# Altium PCB SNAKE_FYP.PcbDoc (continued)
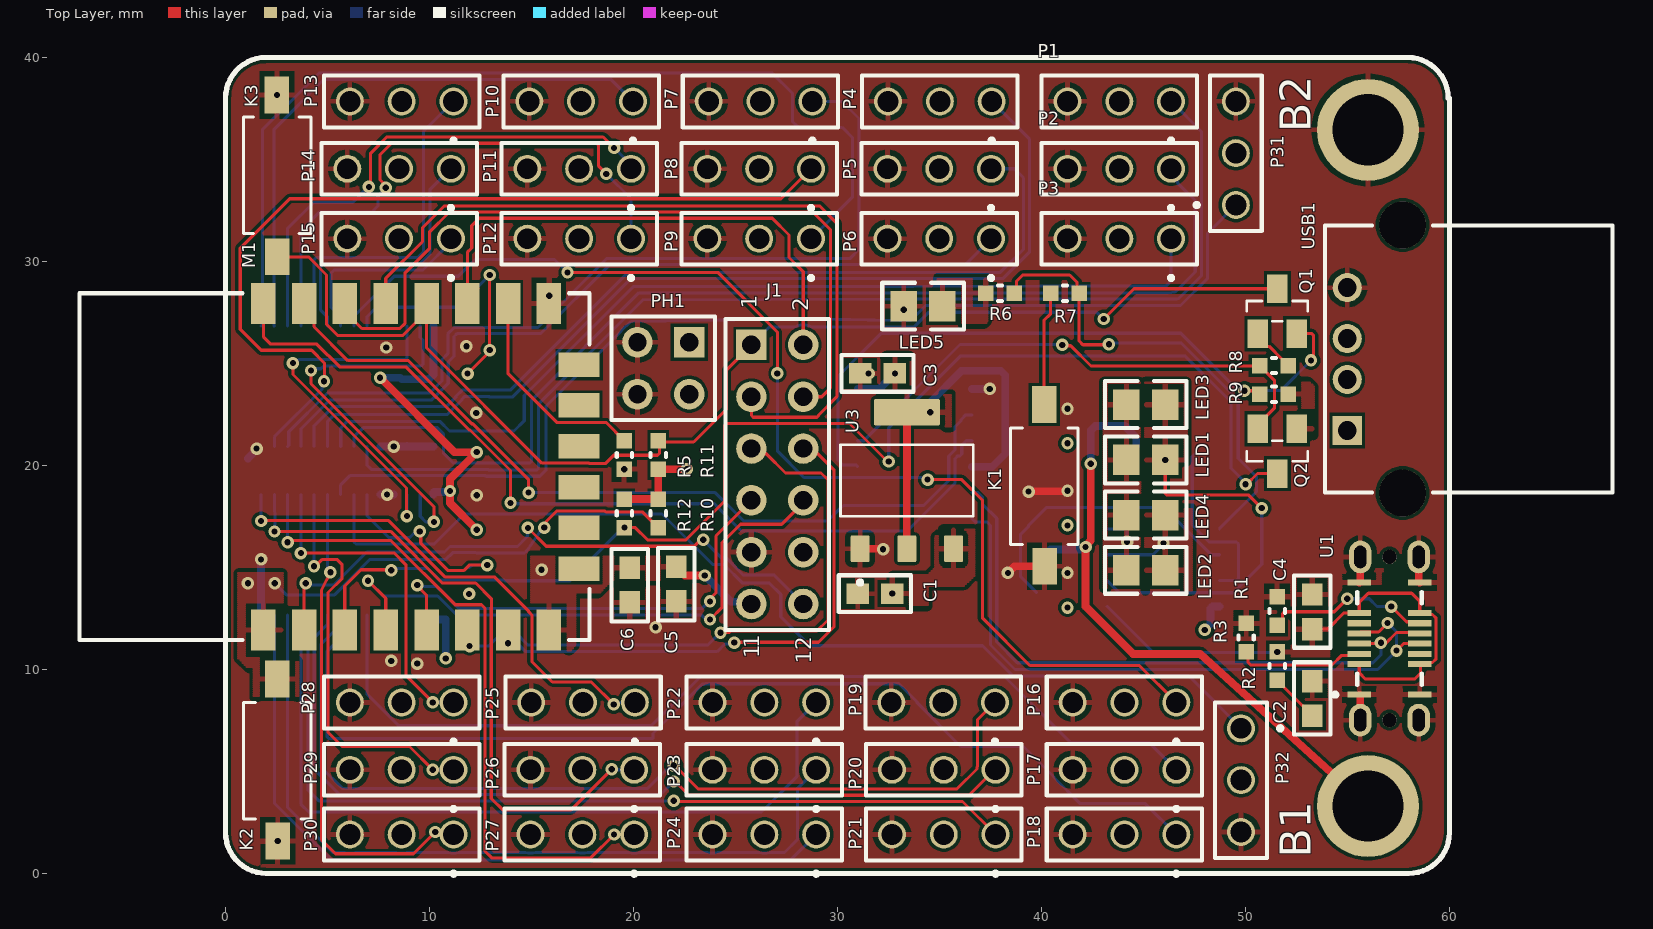
[diagram p0: Top Layer view]
## Nets (pads, with @x,y where several pads share a name; then routed paths per layer and width w, separated by ;. In a path a pad name is that pad's centre, name@x,y a point inside that pad or via, vN(x,y) a via of type N, cw(c..) or ccw(c..) an arc to the next point about the centre after c; other vN are vias at no path point)
3V3: C3.1 C5.1 C6.1 C11.1 C12.1 J1.11 M1.8 PCA1.28 PCA2.1 PCA2.28 R10.1 R11.1 R12.1 U3.2 U3.4 U4.4 U4.16 | length 48
  Top Layer w0.381: v1(7.576,24.301) 11.226,20.651 v1@12.318,20.651 ; 12.052,20.384 11.005,19.337 v1(11.005,18.747) 11.005,18.156 v1(12.319,16.842) ; R12.1 R10.1 21.214,18.358 21.214,19.806 R11.1 21.221,19.812 v1(22.606,19.812) ; C5.1 22.098,14.985 22.408,14.675 22.458,14.675 22.528,14.605 v1(23.495,14.605) ; U3.2 33.401,19.346 U3.4
  Bottom Layer w0.381: v1(7.576,24.301) 8.563,24.301 8.643,24.221 9.971,24.221 10.194,24.444 PCA1.28 ; PCA2.1 10.194,12.478 10.226,12.446 10.795,12.446 v1(10.795,10.541) ; PCA2.28 10.194,18.671 10.226,18.703 10.962,18.703 v1(11.005,18.747) ; v1(23.495,14.605) 24.783,13.317 25.672,13.317 J1.11 ; U4.16 32.053,23.749 v1(32.815,24.511) ; v1(34.544,22.606) 34.544,23.101 36.081,24.638 38.003,24.638 38.226,24.415 38.226,20.573 37.592,19.939 U4.4
  other v1: 15.494,14.882 12.319,20.651
+5V: C1.1 C8.1 C9.1 C10.1 J1.10 P1.2 P2.2 P3.2 P4.2 P5.2 P6.2 P7.2 P8.2 P9.2 P10.2 P11.2 P12.2 P13.2 P14.2 P15.2 P16.2 P17.2 P18.2 P19.2 P20.2 P21.2 P22.2 P23.2 P24.2 P25.2 P26.2 P27.2 P28.2 P29.2 P30.2 P31.2 P32.2 PH1.1 PH1.2 U2.8 U3.3 USB1.1 | length 1.6
  Bottom Layer w0.381: v1(48.006,11.938) 48.282,12.214 48.282,12.98 48.383,13.081 U2.8
  other v1: 41.275,13.032 32.688,13.716 41.275,17.057 41.275,21.082
ADC: J1.12 M1.2 | length 29.9
  Top Layer w0.152: M1.2 3.854,14.141 v1(3.937,14.224) ; v1(14.825,16.934) 15.72,16.039 22.979,16.039 23.299,16.359 v1(23.417,16.359)
  Bottom Layer w0.152: v1(3.937,14.224) 4.024,14.137 4.253,14.137 4.255,14.135 5.307,14.135 6.929,15.757 10.735,15.757 11.005,16.027 14.312,16.027 14.797,16.512 14.797,16.907 v1(14.825,16.934) ; v1(23.417,16.359) 24.329,15.447 24.566,15.447 25.39,14.623 26.906,14.623 J1.12
BAT: B1.1 L1.2 R4.2 | length 32.1
  Top Layer w0.381: v1(42.418,20.084) 42.418,16.318 42.164,16.064 v1(42.164,16.002) 42.164,13.081 44.486,10.759 47.788,10.759 B1.1
  Bottom Layer w0.381: R4.2 40.448,15.875 v1@42.197,15.875 ; v1(42.418,20.084) 42.418,21.709 42.641,21.932 44.093,21.932 44.652,21.373 L1.2
D+: U1.A6 U1.B6 U4.5 | length 31.2
  Top Layer w0.152: U1.A6 56.859,11.263 57.407,11.811 58.499,11.811 U1.B6
  Bottom Layer w0.152: U4.5 36.888,18.669 37.112,18.445 37.112,18.098 37.807,17.404 37.807,11.342 38.821,10.328 45.546,10.328 45.547,10.327 56.251,10.327 56.642,10.718 v1(56.642,11.303)
D-: U1.A7 U1.B7 U4.6 | length 32.1
  Top Layer w0.152: U1.A7 55.651,11.837 56.53,11.837 v1(56.969,12.276) ; v1(57.404,10.922) 57.745,11.263 U1.B7
  Bottom Layer w0.152: U4.6 36.755,17.232 37.327,17.232 37.502,17.058 37.502,11.197 38.703,9.996 56.478,9.996 57.412,10.93 57.412,11.833 v1(56.969,12.276)
DTR: Q1.E R9.2 U4.13 | length 34
  Top Layer w0.152: v1(49.948,23.659) 50.533,23.659 R9.2 ; Q1.E 53.251,26.459 53.34,26.37 53.34,25.273 v1(53.213,25.146)
  Bottom Layer w0.152: U4.13 30.898,20.029 30.249,20.029 30.026,20.252 30.026,24.36 32.143,26.478 46.829,26.478 49.573,23.734 49.873,23.734 v1(49.948,23.659) ; v1@49.948,23.68 51.747,23.68 v1(53.213,25.146)
EN: M1.3 Q2.C R12.2 | length 63.4
  Top Layer w0.152: M1.3 5.854,12.307 5.842,12.319 5.842,14.089 6.641,14.888 v1@8.135,14.888 ; v1(19.558,16.952) 20.086,16.952 20.695,16.343 22.568,16.343 24.463,18.238 24.463,21.963 24.552,22.053 30.591,22.053 v1@32.552,20.092 ; v1(50.008,19.079) 50.067,19.079 50.589,19.601 Q2.C ; Q2.C@51.138,19.177 Q2.C@51.35,19.389
  Bottom Layer w0.152: v1(8.128,14.859) 8.213,14.944 9.926,14.944 10.496,14.374 13.672,14.374 13.698,14.349 16.874,14.349 19.478,16.952 v1(19.558,16.952) ; v1(32.512,20.193) 32.512,21.844 36.038,25.37 47.031,25.37 49.288,23.113 49.288,19.858 50.008,19.138 v1(50.008,19.079)
GND: B2.1 C1.2 C2.2 C3.2 C4.2 C5.2 C6.2 C7.2 C8.2 C9.2 C10.2 C11.2 C12.2 J1.9 K1.1 K2.1 K3.1 LED5.2 M1.15 P1.3 P2.3 P3.3 P4.3 P5.3 P6.3 P7.3 P8.3 P9.3 P10.3 P11.3 P12.3 P13.3 P14.3 P15.3 P16.3 P17.3 P18.3 P19.3 P20.3 P21.3 P22.3 P23.3 P24.3 P25.3 P26.3 P27.3 P28.3 P29.3 P30.3 P31.3 P32.3 PCA1.1 PCA1.2 PCA1.3 PCA1.4 PCA1.5 PCA1.14 PCA1.24 PCA1.25 PCA2.2 PCA2.3 PCA2.4 PCA2.5 PCA2.14 PCA2.24 PCA2.25 PH1.3 PH1.4 R1.1 R3.2 R5.2 R13.2 R14.2 U1.0 U1.1 U1.2 U1.3 U1.A1 U1.A12 U1.B1 U1.B12 U3.1 U4.1 USB1.4 | length 16.4
  Top Layer w0.381: U3.1 32.217,15.916 v1(32.237,15.896) v1@32.258,15.875 ; v1(38.354,14.732) 38.676,15.054 K1.1 ; v1(39.37,18.718) 39.389,18.737 41.256,18.737 v1(41.275,18.757) ; U1.A1 55.591,8.763 55.632,8.722 U1.0 ; U1.A12 55.591,14.263 55.632,14.303 U1.2 ; U1.3 58.492,14.303 58.532,14.263 U1.B1
  Bottom Layer w0.381: 1.096,20.338 1.524,20.766 v1(1.524,20.828) ; PCA2.14 v1(1.744,15.392) ; PCA2.24 v1(7.919,18.571) PCA2.25 ; PCA1.5 v1(8.244,20.926) PCA1.3 PCA1.3@8.894,20.951 ; PCA1.3@8.89,20.955 PCA1.3@8.894,20.951 ; PCA1.1 PCA1.2 8.919,20.926 PCA1.3@8.894,20.951 ; U4.1 v1(37.465,23.749)
  other v1: 2.56,1.592 9.398,10.287 8.128,10.414 21.082,12.065 11.938,13.701 41.275,14.732 12.319,18.542 19.548,19.81 12.288,22.575 41.275,22.782 31.526,24.506 7.874,25.781 11.811,25.846 33.245,27.632 15.875,28.321 2.52,38.159
GPIO0: J1.1 K3.2 M1.18 Q1.C R11.2 | length 62.4
  Top Layer w0.152: K3.2 4.064,30.226 4.953,29.337 4.953,26.917 5.499,26.371 8.686,26.371 M1.18@9.854,27.539 ; M1.18 9.854,27.858 9.854,27.781 M1.18@9.854,27.539 ; R11.2 21.278,21.152 22.95,21.152 24.565,22.766 24.565,24.692 J1.1 ; R11.2@21.266,21.164 21.266,20.586 21.176,20.497 19.034,20.497 18.64,20.103 17.825,20.103 17.817,20.11 15.507,20.11 9.854,25.763 M1.18@9.854,27.539 ; v1(43.053,27.178) 44.534,28.659 Q1.C
  Bottom Layer w0.152: J1.1 26.667,26.794 27.905,26.794 cw(c28.321,25.908) 28.737,26.794 33.764,26.794 34.481,27.511 42.706,27.511 43.039,27.178 v1(43.053,27.178)
GPIO2: J1.2 M1.17 | length 26.4
  Top Layer w0.152: M1.17 11.854,28.155 11.854,30.447 12.07,30.663 12.07,31.755 12.432,32.117 26.8,32.117 27.623,31.295 27.623,30.197 28.321,29.498 J1.2 ; M1.17@11.86,28.155 M1.17@12.378,28.672
GPIO4: J1.3 M1.19 | length 39.7
  Top Layer w0.152: M1.19 7.854,29.168 9.658,30.972 9.658,31.652 10.733,32.727 29.122,32.727 29.972,31.877 29.972,23.372 29.075,22.476 29.075,22.45 28.986,22.361 25.87,22.361 25.781,22.45 J1.3
GPIO5: J1.4 M1.20 | length 38.5
  Top Layer w0.152: M1.20 5.854,27.539 6.683,26.71 8.549,26.71 8.79,26.951 8.79,29.421 9.99,30.622 9.99,31.43 10.983,32.422 28.792,32.422 29.65,31.564 29.65,23.786 29.232,23.368 J1.4
GPIO12: J1.5 M1.6 | length 29.9
  Top Layer w0.152: v1(24.264,11.802) 24.282,11.82 24.696,11.82 24.756,11.88 28.989,11.88 29.533,12.424 29.533,19.293 29.194,19.632 27.454,19.632 26.516,20.57 26.039,20.57 J1.5
  Bottom Layer w0.152: v1(11.966,11.144) 11.968,11.145 12.905,11.145 13.578,11.819 14.196,11.819 14.817,11.198 23.644,11.198 24.248,11.802 v1(24.264,11.802)
GPIO13: J1.6 M1.7 | length 26.3
  Top Layer w0.152: v1(24.944,11.314) 24.964,11.334 29.071,11.334 29.838,12.101 29.838,19.769 29.037,20.57 28.579,20.57 J1.6
  Bottom Layer w0.152: v1(13.845,11.286) 13.846,11.287 14.294,11.287 14.709,10.871 24.101,10.871 24.476,11.246 24.877,11.246 v1(24.944,11.314)
GPIO14: J1.7 M1.5 | length 23.2
  Top Layer w0.152: v1(9.398,14.133) 9.398,14.097 9.854,13.641 M1.5 ; v1(23.749,13.335) 23.749,13.459 24.041,13.751 24.041,16.548 J1.7
  Bottom Layer w0.152: v1(9.398,14.133) 9.462,14.069 10.336,14.069 10.501,13.904 10.537,13.904 11.462,12.979 23.35,12.979 23.706,13.335 v1(23.749,13.335)
GPIO16: J1.8 M1.4 | length 29.2
  Top Layer w0.152: v1(6.985,14.351) 7.854,13.482 M1.4 ; v1(23.749,12.446) 24.346,13.043 24.346,16.218 25.243,17.115 27.264,17.115 28.321,18.172 J1.8
  Bottom Layer w0.152: v1(6.985,14.351) 7.736,13.6 10.397,13.6 11.322,12.675 23.321,12.675 23.462,12.533 23.662,12.533 v1(23.749,12.446)
NetC2_1: C2.1 R2.1 | length 2.5
  Top Layer w0.152: R2.1 52.823,8.199 52.854,8.199 53.278,7.776 C2.1
NetC4_1: C4.1 R2.2 U1.A4 U1.A9 U1.B4 U1.B9 U2.1 | length 24.3
  Top Layer w0.152: C4.1 54.031,11.972 54.821,12.762 U1.A9@55.576,12.762 ; U1.A4@55.575,10.265 U1.A4 55.577,9.828 55.873,9.532 58.308,9.532 58.58,9.805 58.572,10.189 58.547,10.215 U1.B9 58.621,10.337 59.169,10.337 59.351,10.518 59.351,12.508 59.169,12.689 58.621,12.689 U1.B4 58.547,13.335 58.146,13.736 56.027,13.736 55.577,13.286 U1.A9
  Bottom Layer w0.152: U2.1 45.467,10.838 51.54,10.838 v1(51.562,10.86)
NetC7_1: C7.1 R4.1 U2.6 | length 14.4
  Bottom Layer w0.152: R4.1 38.98,14.549 38.98,16.628 C7.1 39.37,17.068 40.231,17.929 46.016,17.929 48.324,15.621 U2.6
NetK1_2: K1.2 R7.2 | length 5.6
  Top Layer w0.152: K1.2 40.117,23.002 40.117,27.102 40.448,27.432 R7.2
NetL1_1: L1.1 U2.7 | length 8.9
  Bottom Layer w0.152: L1.1@47.524,20.574 47.391,20.441 47.391,17.076 48.223,16.244 49.564,16.244 49.653,16.155 49.653,14.44 49.564,14.351 U2.7
NetLED1_1: LED1.1 LED2.1 LED3.2 LED4.2 U2.4 | length 1.5
  Bottom Layer w0.152: U2.4 44.088,16.891 44.196,16.783 v1(44.196,16.256)
NetLED1_2: LED1.2 LED3.1 U2.2 | length 17.8
  Top Layer w0.152: v1(46.067,20.272) 46.067,20.172 46.067,18.635 46.156,18.546 50.161,18.546 v1(50.8,17.907)
  Bottom Layer w0.152: U2.2 43.816,13.759 49.403,13.759 50.8,15.156 v1(50.8,17.907)
NetLED2_2: LED2.2 LED4.1 U2.3 | length 3.1
  Bottom Layer w0.152: U2.3 45.466,15.621 v1@46.101,16.256
  other v1: 45.982,16.191
NetLED5_1: LED5.1 R6.2
NetM1_16: M1.16 R5.1 | length 10.5
  Top Layer w0.152: M1.16 13.854,24.496 16.239,22.11 18.648,22.11 R5.1
NetPCA1_23: PCA1.23 R13.1 | length 12.6
  Top Layer w0.152: v1(11.868,24.503) 12.954,25.589 v1(12.954,25.654) 12.95,25.658 v1@12.95,29.3
  Bottom Layer w0.152: PCA1.23 6.944,27.301 7.398,27.755 11.372,27.755 v1(12.954,29.337)
NetPCA2_23: PCA2.23 R14.1 | length 9.7
  Top Layer w0.152: v1(9.525,16.764) 9.568,16.721 9.568,16.193 10.917,14.844 11.675,14.844 11.944,15.113 v1(12.827,15.113)
  Bottom Layer w0.152: PCA2.23 6.944,17.523 8.015,16.452 9.017,16.452 9.242,16.677 9.438,16.677 v1(9.525,16.764) ; R14.1 12.062,15.113 v1(12.827,15.113)
NetQ1_B: Q1.B R8.2 | length 2.3
  Top Layer w0.152: Q1.B 50.612,26.259 51.036,25.835 51.162,25.835 51.792,25.205 51.792,25.197 52.089,24.9 R8.2@52.097,24.9
NetQ2_B: Q2.B R9.1
NetR1_2: R1.2 U1.B5 | length 8.2
  Top Layer w0.152: R1.2 51.816,12.426 51.816,12.738 51.905,12.827 54.356,12.827 v1(54.991,13.462) ; v1(57.15,13.081) 57.894,12.337 58.473,12.337 U1.B5
  Bottom Layer w0.152: v1(54.991,13.462) 56.068,13.462 56.449,13.081 v1(57.15,13.081)
NetR3_1: R3.1 U1.A5 | length 6.3
  Top Layer w0.152: R3.1 50.132,10.763 50.132,10.337 50.253,10.215 54.239,10.215 54.713,10.689 55.503,10.689 U1.A5
NetR6_1: R6.1 R7.1 U2.5 | length 23.3
  Top Layer w0.152: R6.1 38.786,28.561 38.786,29.044 39.078,29.337 41.382,29.337 41.75,28.968 41.75,28.546 R7.1 41.848,26.097 42.029,25.916 43.278,25.916 v1(43.307,25.945)
  Bottom Layer w0.152: v1(43.307,25.945) 43.365,26.002 46.85,26.002 49.647,23.206 49.647,20.338 50.541,19.443 50.541,18.708 U2.5
RST: K2.2 M1.1 R10.2 | length 21.4
  Top Layer w0.152: v1(15.621,16.952) 15.708,17.04 15.708,17.237 16.239,17.768 18.601,17.768 18.642,17.726 20.436,17.726 R10.2
  Bottom Layer w0.152: v1(2.413,14.224) 2.984,13.653 5.347,13.653 7.086,15.392 10.801,15.392 11.131,15.723 12.287,15.723 12.302,15.707 14.654,15.707 14.738,15.791 14.747,15.801 14.759,15.817 15.573,16.981 15.593,16.981 v1(15.621,16.952)
  other v1: 1.096,14.224
RTS: Q2.E R8.1 U4.14 | length 25.5
  Top Layer w0.152: v1(41.021,25.908) 41.061,25.868 41.43,25.868 42.426,24.872 43.922,24.872 43.932,24.882 R8.1@50.707,24.882 ; Q2.E 50.612,22.001 51.433,22.822 51.433,24.156 R8.1@50.707,24.882 ; R8.1 R8.1@50.707,24.882
  Bottom Layer w0.152: U4.14 31.288,21.209 36.008,25.929 40.669,25.929
RXD: M1.21 U4.2 | length 41.5
  Top Layer w0.152: M1.21 4.335,27.458 4.335,26.801 5.997,25.139 8.969,25.139 12.067,22.042 12.114,22.042 14.859,19.297 v1(14.859,18.669)
  Bottom Layer w0.152: v1(14.859,18.669) 24.003,18.669 25.4,17.272 29.511,17.272 30.107,17.868 30.126,17.868 30.294,18.036 34.23,18.036 35.455,19.26 35.455,20.46 35.759,20.765 35.759,21.899 36.064,22.203 36.064,22.255 36.288,22.479 U4.2
SCL: PCA1.26 PCA2.26 | length 18.1
  Top Layer w0.152: v1@3.308,24.997 3.308,24.456 8.872,18.892 8.872,17.541 v1(8.894,17.519)
  Bottom Layer w0.152: v1(3.302,25.019) 3.426,25.019 3.594,25.187 8.805,25.187 8.894,25.276 PCA1.26 ; v1(8.894,17.519) PCA2.26
SDA: PCA1.27 PCA2.27 | length 19.3
  Top Layer w0.152: v1(4.191,24.654) 4.191,24.011 10.213,17.988 v1(10.213,17.23)
  Bottom Layer w0.152: v1(4.191,24.654) 4.278,24.741 4.672,24.741 4.801,24.87 9.588,24.87 9.677,24.959 9.677,26.137 9.544,26.27 PCA1.27 ; PCA2.27 9.544,17.507 9.821,17.23 v1(10.213,17.23)
SERVO0: P1.1 PCA1.6 | length 56.9
  Bottom Layer w0.152: PCA1.6 6.944,19.997 7.137,19.804 12.861,19.804 12.89,19.776 15.26,19.776 15.35,19.865 15.35,23.017 20.445,28.112 33.012,28.153 33.024,28.165 33.466,28.165 33.478,28.153 46.637,28.153 46.739,28.198 47.843,29.302 47.843,36.358 P1.1
SERVO1: P2.1 PCA1.7 | length 54.4
  Bottom Layer w0.152: PCA1.7 6.294,21.401 6.748,21.855 10.382,21.855 10.688,21.549 10.688,20.594 11.163,20.118 14.918,20.118 15.007,20.207 15.007,23.203 20.262,28.458 32.886,28.458 32.898,28.47 33.592,28.47 33.604,28.458 46.205,28.458 46.555,28.503 47.538,29.486 47.538,32.991 46.663,33.865 46.663,33.906 46.355,34.215 P2.1
SERVO2: P3.1 PCA1.8 | length 47.8
  Bottom Layer w0.152: PCA1.8 5.647,20.929 5.647,21.838 5.968,22.159 10.508,22.159 10.976,21.692 14.144,21.692 14.645,22.192 14.645,23.426 19.983,28.764 32.772,28.775 33.718,28.775 46.124,28.807 46.355,29.039 P3.1
SERVO3: P4.1 PCA1.9 | length 47.3
  Bottom Layer w0.152: PCA1.9 4.994,22.139 5.359,22.504 10.882,22.504 11.59,23.212 11.59,23.251 11.724,23.385 12.914,23.385 12.95,23.349 14.059,23.349 19.867,29.156 38.105,29.156 39.421,30.472 39.421,35.985 P4.1
SERVO4: P5.1 PCA1.10 | length 44.7
  Bottom Layer w0.152: PCA1.10 4.344,21.944 5.28,22.88 10.827,22.88 11.286,23.338 11.286,23.377 11.598,23.689 13.965,23.689 19.739,29.463 37.981,29.463 39.116,30.599 39.116,34.095 38.667,34.544 P5.1
SERVO5: P6.1 PCA1.11 | length 39.7
  Bottom Layer w0.152: PCA1.11 3.694,21.789 5.122,23.217 10.113,23.217 10.918,24.021 10.918,25.069 11.201,25.353 11.201,26.322 11.338,26.459 15.442,26.459 18.828,29.845 36.258,29.845 P6.1
SERVO6: P7.1 PCA1.12 | length 42.7
  Bottom Layer w0.152: PCA1.12 3.101,20.983 3.101,21.651 4.998,23.548 10.014,23.548 10.613,24.148 10.613,25.195 10.897,25.479 10.897,26.448 11.209,26.76 11.263,26.76 11.266,26.763 15.315,26.763 18.702,30.15 30.625,30.15 31.058,30.583 31.058,37.005 30.217,37.846 P7.1
SERVO7: P8.1 PCA1.13 | length 43.5
  Top Layer w0.152: v1(4.826,24.13) 4.85,24.154 4.85,25.014 4.221,25.644 1.746,25.644 0.721,26.67 0.721,30.655 3.142,33.075 27.233,33.075 P8.1
  Bottom Layer w0.152: PCA1.13 2.394,21.401 4.739,23.746 4.739,24.043 v1(4.826,24.13)
SERVO8: P9.1 PCA1.15 | length 47.7
  Bottom Layer w0.152: PCA1.15 1.801,26.883 1.801,27.534 1.806,27.539 1.806,36.454 4.585,39.234 26.806,39.234 27.791,38.249 27.791,36.852 28.07,36.573 30.229,36.573 30.727,36.074 30.727,33.14 P9.1
SERVO9: P10.1 PCA1.16 | length 28.7
  Bottom Layer w0.152: PCA1.16 2.381,26.839 2.381,36.484 4.826,38.929 18.888,38.929 P10.1
SERVO10: P11.1 PCA1.17 | length 25.5
  Top Layer w0.152: v1(7.031,33.655) 7.112,33.736 7.112,35.306 7.903,36.097 18.513,36.097 v1(19.05,35.56)
  Bottom Layer w0.152: PCA1.17 3.044,31.619 4.318,32.893 6.231,32.893 6.993,33.655 v1(7.031,33.655) ; v1(19.05,35.56) 19.875,34.734 P11.1 P11.1@19.66,34.329
SERVO11: P12.1 PCA1.18 | length 28.3
  Top Layer w0.152: v1(7.853,33.609) 7.853,33.733 7.565,34.021 7.565,35.221 8.137,35.792 18.199,35.792 18.288,35.703 18.288,34.671 v1(18.669,34.29)
  Bottom Layer w0.152: PCA1.18 3.694,31.507 4.6,32.413 7.165,32.413 7.476,32.724 7.476,33.231 v1(7.853,33.609) ; v1(18.669,34.29) 19.875,33.084 P12.1 P12.1@19.66,31.33
SERVO12: P13.1 PCA1.19 | length 16.8
  Bottom Layer w0.152: PCA1.19 4.344,30.094 4.436,30.186 9.425,30.186 9.698,30.459 9.698,31.158 9.698,31.163 9.698,36.368 P13.1
SERVO13: P14.1 PCA1.20 | length 13.3
  Bottom Layer w0.152: PCA1.20 4.994,27.292 4.651,27.636 4.651,29.725 4.808,29.882 9.551,29.882 10.02,30.351 10.02,32.204 10.02,33.515 P14.1
SERVO14: P15.1 PCA1.21 | length 9.5
  Bottom Layer w0.152: PCA1.21 5.644,27.292 5.161,27.776 5.161,29.421 5.317,29.577 9.677,29.577 11.049,30.949 P15.1
SERVO15: P16.1 PCA1.22 | length 57.7
  Top Layer w0.152: v1(16.764,29.464) 24.13,29.464 27.051,26.543 v1(27.051,24.511) ; v1(34.417,19.304) 36.095,19.304 37.117,18.282 37.117,12.505 39.43,10.192 44.799,10.192 P16.1
  Bottom Layer w0.152: PCA1.22 6.294,27.301 8.265,29.272 11.41,29.272 12.237,30.099 16.129,30.099 v1(16.764,29.464) ; v1(27.051,24.511) 27.051,20.714 28.355,19.41 34.099,19.41 34.118,19.391 34.219,19.391 v1@34.368,19.242
SERVO16: P17.1 PCA2.6 | length 47.1
  Bottom Layer w0.152: PCA2.6 6.944,8.782 8.487,7.239 20.879,7.239 23.292,9.652 38.185,9.652 41.434,6.403 45.286,6.403 P17.1
SERVO17: P18.1 PCA2.7 | length 52.5
  Bottom Layer w0.152: PCA2.7 6.294,12.205 4.984,10.895 4.984,6.693 5.074,6.604 20.955,6.604 20.955,6.858 23.368,9.271 23.473,9.271 23.498,9.296 33.017,9.296 33.909,8.404 33.909,8.36 36.046,6.223 39.117,6.223 40.615,4.724 40.615,4.702 41.897,3.42 45.094,3.42 P18.1
SERVO18: P19.1 PCA2.8 | length 45.3
  Top Layer w0.152: v1(21.971,5.288) 22.017,5.288 23.162,4.143 35.861,4.143 36.838,5.12 cw(c37.751,5.08) 36.857,5.269 36.857,7.52 P19.1
  Bottom Layer w0.152: PCA2.8 5.644,12.205 4.68,11.24 4.68,5.204 5.718,4.166 20.703,4.166 v1@21.824,5.288
SERVO19: P20.1 PCA2.9 | length 42.8
  Top Layer w0.152: v1(21.971,4.505) 22.048,4.505 22.723,3.83 36.444,3.83 37.695,5.08 P20.1
  Bottom Layer w0.152: PCA2.9 4.994,12.205 4.347,11.557 4.347,5.106 5.591,3.862 21.324,3.862 v1@21.967,4.505
SERVO20: P21.1 PCA2.10 | length 42.9
  Top Layer w0.152: v1(21.971,3.556) 22.002,3.525 36.131,3.525 P21.1
  Bottom Layer w0.152: PCA2.10 4.344,12.135 4.034,11.825 4.034,4.097 4.575,3.556 21.59,3.556
SERVO21: P22.1 PCA2.11 | length 38.5
  Bottom Layer w0.152: PCA2.11 3.694,3.393 4.081,3.006 26.273,3.006 28.011,4.743 28.011,7.437 P22.1
SERVO22: P23.1 PCA2.12 | length 39.5
  Bottom Layer w0.152: PCA2.12 3.044,3.232 5.25,1.025 5.85,1.025 ccw(c6.096,1.905) 6.342,1.025 8.39,1.025 ccw(c8.636,1.905) 8.882,1.025 10.93,1.025 ccw(c11.176,1.905) 11.422,1.025 14.709,1.025 ccw(c14.954,1.905) 15.2,1.025 17.249,1.025 ccw(c17.494,1.905) 17.74,1.025 19.789,1.025 ccw(c20.034,1.905) 20.28,1.025 23.63,1.025 ccw(c23.876,1.905) 24.122,1.025 26.17,1.025 ccw(c26.416,1.905) 26.662,1.025 27.401,1.025 28.033,1.657 28.033,4.157 P23.1
SERVO23: P24.1 PCA2.13 | length 37.5
  Bottom Layer w0.152: PCA2.13 2.394,6.771 2.394,3.448 5.18,0.662 27.713,0.662 P24.1
SERVO24: P25.1 PCA2.15 | length 24.7
  Top Layer w0.152: v1(1.744,17.277) 1.76,17.293 7.996,17.293 10.75,14.539 13.177,14.539 14.859,12.857 14.859,12.827 15.025,12.661 15.025,10.375 16.021,9.379 17.935,9.379 v1(19.029,8.286)
  Bottom Layer w0.152: v1(1.744,17.277) PCA2.15 ; v1@19.05,8.255 19.177,8.382 P25.1
SERVO25: P26.1 PCA2.16 | length 31.6
  Top Layer w0.152: v1(2.399,16.76) 2.406,16.767 8.092,16.767 10.624,14.234 12.259,14.234 13.031,13.463 13.031,13.039 13.025,13.034 13.025,3.674 13.586,3.113 16.94,3.113 v1(18.929,5.101)
  Bottom Layer w0.152: PCA2.16 2.419,16.842 v1@2.42,16.76 ; v1(2.399,16.76) v1@2.42,16.76 ; v1@19.05,5.08 P26.1
SERVO26: P27.1 PCA2.17 | length 33.1
  Top Layer w0.152: v1(3.044,16.233) 3.126,16.315 8.112,16.315 11.26,13.168 12.549,13.168 12.721,12.996 12.721,1.088 13.047,0.762 17.907,0.762 v1(19.05,1.905)
  Bottom Layer w0.152: v1(3.044,16.233) PCA2.17 ; v1@19.177,1.905 P27.1
SERVO27: P28.1 PCA2.18 | length 16.6
  Top Layer w0.152: v1@3.696,15.701 8.28,15.701 8.842,15.139 8.842,9.709 v1@10.16,8.391
  Bottom Layer w0.152: v1(3.694,15.703) PCA2.18 ; v1(10.16,8.382) P28.1
SERVO28: P29.1 PCA2.19 | length 20.3
  Top Layer w0.152: v1(4.337,15.052) 4.403,15.052 4.747,15.396 5.452,15.396 5.715,15.133 5.715,14.46 5.025,13.77 5.025,6.913 5.715,6.223 9.017,6.223 v1(10.16,5.08)
  Bottom Layer w0.152: 4.318,15.367 4.344,15.393 PCA2.19 ; v1(10.16,5.08) P29.1
SERVO29: P30.1 PCA2.20 | length 24.9
  Top Layer w0.152: v1(5.143,14.759) 4.696,13.885 4.696,1.654 5.387,0.963 9.218,0.963 v1(10.283,2.028)
  Bottom Layer w0.152: PCA2.20 4.994,14.97 5.143,14.821 v1@5.143,14.697 ; v1@10.122,1.867 v1(10.283,2.028) ; P30.1 v1@10.283,1.905 ; v1@10.283,1.905 10.223,1.905 v1(10.283,2.028) ; v1@10.283,1.905 v1(10.283,2.028)
SERVO30: P31.1 PCA2.21 | length 53.2
  Bottom Layer w0.152: PCA2.21 5.644,19.046 6.098,19.5 12.735,19.5 12.764,19.471 15.412,19.471 15.704,19.763 15.704,22.891 19.357,26.543 cw(c20.193,26.035) 19.685,26.871 19.873,27.059 19.934,27.06 28.301,27.191 cw(c28.321,25.908) 28.346,27.191 33.024,27.099 33.583,27.099 34.325,27.841 46.813,27.841 48.148,29.175 48.148,31.384 P31.1
SERVO31: P32.1 PCA2.22 | length 51.5
  Bottom Layer w0.152: PCA2.22@6.298,18.567 6.298,16.241 6.392,16.147 10.231,16.147 11.704,17.621 21.401,17.621 23.879,15.142 24.439,15.142 25.354,14.228 26.666,14.228 27.217,13.677 27.217,12.584 28.642,11.159 37.109,11.159 38.587,9.681 47.215,9.681 P32.1
TXD: M1.22 U4.3 | length 44
  Top Layer w0.152: M1.22 1.854,26.314 2.219,25.949 4.479,25.949 5.593,24.834 8.843,24.834 11.941,21.737 11.988,21.737 13.97,19.755 v1(13.97,18.161)
  Bottom Layer w0.152: v1(13.97,18.161) 14.01,18.121 23.957,18.121 25.297,16.781 33.406,16.781 35.759,19.134 35.759,20.334 35.893,20.468 36.004,20.468 36.094,20.557 36.094,20.985 36.317,21.209 U4.3
pads on no net: M1.9 M1.10 M1.11 M1.12 M1.13 M1.14 U1. U1.A8 U1.B8 U4.7 U4.8 U4.9 U4.10 U4.11 U4.12 U4.15 USB1. USB1.2 USB1.3

## Polygon pours and split planes (outlines as drawn)
GND on Bottom Layer "GND_L04_P023" (hatched Horizontal grid 0.127 track 0.152, remove dead copper, pour order 23): 2,0 cw(c2,2) 0,2 0,38.005 cw(c2,38.005) 2,40.005 58,40.005 57.944,40 cw(c57.944,38) 59.944,38 60,38 60,2 cw(c58,2) 58,0
GND on Bottom Layer "GND_L04_P000" (hatched Horizontal grid 0.102 track 0.127, remove dead copper, pour order 0): 7.62,12.954 7.62,9.906 9.779,9.906 9.779,12.954
GND on Bottom Layer "GND_L04_P021" (hatched Horizontal grid 0.102 track 0.127, remove dead copper, pour order 21): 7.239,26.924 8.509,26.924 8.636,26.797 8.509,26.67 8.509,25.4 7.366,25.4 7.239,25.527
GND on Top Layer "GND_L01_P022" (solid, remove dead copper, pour order 22): 0,2 0,38.005 cw(c2,38.005) 2,40.005 58,40.005 57.944,40 cw(c57.944,38) 59.944,38 60,38 60,2 cw(c58,2) 58,0 2,0 cw(c2,2)
3V3 on Top Layer "3V3_L01_P018" (hatched Horizontal grid 0.102 track 0.127, remove dead copper, pour order 18): 31.623,22.606 32.131,23.114 32.131,25.146 32.385,25.4 33.528,25.4 33.528,23.495 35.56,23.495 35.56,21.844 32.004,21.844
+5V on Top Layer "+5V_L01_P002" (hatched Horizontal grid 0.102 track 0.127, remove dead copper, pour order 2): 32.688,14.605 32.688,13.081 34.417,13.081 34.417,13.208 34.417,13.335 34.417,14.097 36.195,14.097 36.703,14.605 36.703,16.891 35.179,16.891 34.798,16.51 34.798,14.986 34.417,14.605
NetLED2_2 on Top Layer "NETLED2_2_L01_P009" (hatched Horizontal grid 0.102 track 0.127, remove dead copper, pour order 9): 45.085,17.907 45.085,13.843 47.371,13.843 47.371,17.907
NetC4_1 on Top Layer "NETC4_1_L01_P014" (hatched Horizontal grid 0.102 track 0.127, remove dead copper, pour order 14): 51.181,11.176 51.181,10.541 54.102,10.541 54.102,12.446 52.451,12.446 52.451,11.176
GND on Top Layer "GND_L01_P015" (hatched Horizontal grid 0.102 track 0.127, remove dead copper, pour order 15): 53.467,9.652 54.102,9.652 54.102,9.398 54.483,9.017 59.182,9.017 59.182,8.636 59.055,8.636 53.467,8.636
GND on Top Layer "GND_L01_P011" (hatched Horizontal grid 0.102 track 0.127, remove dead copper, pour order 11): 18.669,12.573 18.923,12.827 18.923,13.97 22.987,13.97 23.114,13.843 23.114,11.684 18.669,11.684
NetLED5_1 on Top Layer "NETLED5_1_L01_P017" (hatched Horizontal grid 0.102 track 0.127, remove dead copper, pour order 17): 34.925,29.21 34.925,26.924 37.211,26.924 37.338,27.051 37.338,29.21
NetQ2_B on Top Layer "NETQ2_B_L01_P016" (hatched Horizontal grid 0.102 track 0.127, remove dead copper, pour order 16): 51.943,24.13 53.086,24.13 53.34,23.876 53.34,21.463 52.07,21.463 51.943,21.59
GND on Top Layer "GND_L01_P012" (hatched Horizontal grid 0.102 track 0.127, remove dead copper, pour order 12): 50.038,11.684 49.911,11.811 49.149,11.811 49.149,12.827 49.403,13.081 50.292,13.081 50.292,14.224 50.546,14.478 52.07,14.478 52.07,14.732 52.324,14.986 56.642,14.986 56.769,14.859 56.642,14.732 56.642,14.097 54.864,14.097 54.356,13.589 50.8,13.589 50.8,11.684
NetLED1_1 on Top Layer "NETLED1_1_L01_P010" (hatched Horizontal grid 0.102 track 0.127, remove dead copper, pour order 10): 43.053,23.749 43.053,13.97 44.704,13.97 44.831,14.097 44.831,24.13 43.053,24.13
NetLED1_2 on Top Layer "NETLED1_2_L01_P008" (hatched Horizontal grid 0.102 track 0.127, remove dead copper, pour order 8): 45.085,20.172 46.122,20.172 47.117,20.172 47.117,24.13 45.085,24.13
RST on Top Layer "RST_L01_P007" (hatched Horizontal grid 0.102 track 0.127, remove dead copper, pour order 7): 0.635,14.732 0.635,10.541 1.143,10.033 1.397,10.033 1.397,8.636 3.556,8.636 3.556,10.414 3.429,10.541 2.794,10.541 2.794,14.732
3V3 on Top Layer "3V3_L01_P006" (hatched Horizontal grid 0.102 track 0.127, remove dead copper, pour order 6): 14.986,13.335 14.986,10.922 16.891,10.922 17.145,11.176 17.145,13.716 18.288,13.716 18.923,14.351 22.098,14.351 22.098,15.621 14.986,15.621
GND on Top Layer "GND_L01_P001" (hatched Horizontal grid 0.102 track 0.127, remove dead copper, pour order 1): 30.734,16.383 31.623,16.383 31.623,13.589 30.734,13.589
3V3 on PWR03 (split plane): 35.685,15.186 29.974,15.186 29.974,17.145 29.965,17.195 29.937,17.237 29.895,17.265 29.845,17.274 24.765,17.274 24.715,17.265 24.673,17.237 24.645,17.195 24.636,17.145 24.636,14.353 15.748,14.353 15.698,14.344 15.656,14.316 15.628,14.274 15.619,14.224 15.619,10.035 8.257,10.035 8.257,16.51 8.248,16.56 8.22,16.602 8.178,16.63 8.128,16.639 6.225,16.639 6.225,24.89 18.413,24.89 18.413,21.844 18.422,21.794 18.45,21.752 18.492,21.724 18.542,21.715 29.718,21.715 29.768,21.724 29.81,21.752 29.838,21.794 29.847,21.844 29.847,25.398 35.685,25.398
+5V on PWR03 (split plane): 2,39.495 57.879,39.495 57.889,39.492 57.917,39.492 57.944,39.49 57.944,39.492 58.111,39.482 58.276,39.454 58.437,39.408 58.591,39.344 58.738,39.263 58.874,39.166 58.999,39.055 59.11,38.93 59.207,38.794 59.288,38.647 59.352,38.493 59.398,38.332 59.426,38.167 59.435,38.015 59.434,38 59.443,37.9 59.472,37.805 59.49,37.773 59.49,2 59.491,1.985 59.482,1.833 59.454,1.668 59.408,1.507 59.344,1.353 59.263,1.206 59.166,1.07 59.055,0.945 58.93,0.834 58.794,0.737 58.647,0.656 58.493,0.592 58.332,0.546 58.167,0.518 58.015,0.509 58,0.51 2,0.51 1.985,0.509 1.833,0.518 1.668,0.546 1.507,0.592 1.353,0.656 1.206,0.737 1.07,0.834 0.945,0.945 0.834,1.07 0.737,1.206 0.656,1.353 0.592,1.507 0.546,1.668 0.518,1.833 0.509,1.985 0.51,2 0.51,38.005 0.509,38.02 0.518,38.172 0.546,38.337 0.592,38.498 0.656,38.652 0.737,38.799 0.834,38.935 0.945,39.06 1.07,39.171 1.206,39.268 1.353,39.349 1.507,39.413 1.668,39.459 1.833,39.487 1.985,39.496
GND on GND02 (split plane): 2,39.495 57.879,39.495 57.889,39.492 57.917,39.492 57.944,39.49 57.944,39.492 58.111,39.482 58.276,39.454 58.437,39.408 58.591,39.344 58.738,39.263 58.874,39.166 58.999,39.055 59.11,38.93 59.207,38.794 59.288,38.647 59.352,38.493 59.398,38.332 59.426,38.167 59.435,38.015 59.434,38 59.443,37.9 59.472,37.805 59.49,37.773 59.49,2 59.491,1.985 59.482,1.833 59.454,1.668 59.408,1.507 59.344,1.353 59.263,1.206 59.166,1.07 59.055,0.945 58.93,0.834 58.794,0.737 58.647,0.656 58.493,0.592 58.332,0.546 58.167,0.518 58.015,0.509 58,0.51 2,0.51 1.985,0.509 1.833,0.518 1.668,0.546 1.507,0.592 1.353,0.656 1.206,0.737 1.07,0.834 0.945,0.945 0.834,1.07 0.737,1.206 0.656,1.353 0.592,1.507 0.546,1.668 0.518,1.833 0.509,1.985 0.51,2 0.51,38.005 0.509,38.02 0.518,38.172 0.546,38.337 0.592,38.498 0.656,38.652 0.737,38.799 0.834,38.935 0.945,39.06 1.07,39.171 1.206,39.268 1.353,39.349 1.507,39.413 1.668,39.459 1.833,39.487 1.985,39.496

## Keep-outs
Keep-Out Layer:
  lines w0.254: 0,38 0,2 ccw(c2,2) 2,0 58,0 ccw(c58,2) 60,2 60,38 ; 0,38.005 cw(c2,38.005) 2,40.005 58,40.005 ; 57.944,40 cw(c57.944,38) 59.944,38

## Other copper
PWR03 (plane layer: these items are gaps in the copper):
  lines w0.254: 6.096,16.51 8.128,16.51 8.128,9.906 15.748,9.906 15.748,14.224 24.765,14.224 24.765,17.145 29.845,17.145 29.845,15.056 35.814,15.056 35.814,25.527 29.718,25.527 29.718,21.844 18.542,21.844 18.542,25.019 6.096,25.019 6.096,16.51

## Silkscreen, mask and mechanical layers (free items; w line width, h text height)
Top Overlay:
  lines w0.254: 0,2 ccw(c2,2) 2,0 ; 0,2 ccw(c2,2) 2,0 ; 0,2 0,38 0,2 ; 2,0 58,0 ; 2,0 58,0 ; 2,40.005 ccw(c2,38.005) 0,38.005 cw(c2,38.005) 2,40.005 ; 2,40.005 58,40.005 2,40.005 ; 58,0 ccw(c58,2) 60,2 ; 58,0 ccw(c58,2) 60,2 ; 60,2 60,38 60,2 ; 57.944,40 cw(c57.944,38) 59.944,38 ccw(c57.944,38) 57.944,40

## Text inside footprints (layer, text, board x,y; h text height)
J1: Top Overlay "2" at 28.575,27.559 h0.76 r90; Top Overlay "1" at 26.035,27.686 h0.76 r90; Top Overlay "1" at 26.162,10.541 h0.76 r90; Top Overlay "1" at 26.162,11.049 h0.76 r90; Top Overlay "12" at 28.702,10.287 h0.76 r90